# Altium PCB PrincipalPCB.PcbDoc
Units mm, origin at the board's own origin, x right, y up, seen from the top; angles counter-clockwise.
Board outline 45.45 x 93.05 mm, 2 copper layers (Top Layer, Bottom Layer); 11 components, 41 nets, 112 pads, 0 vias.
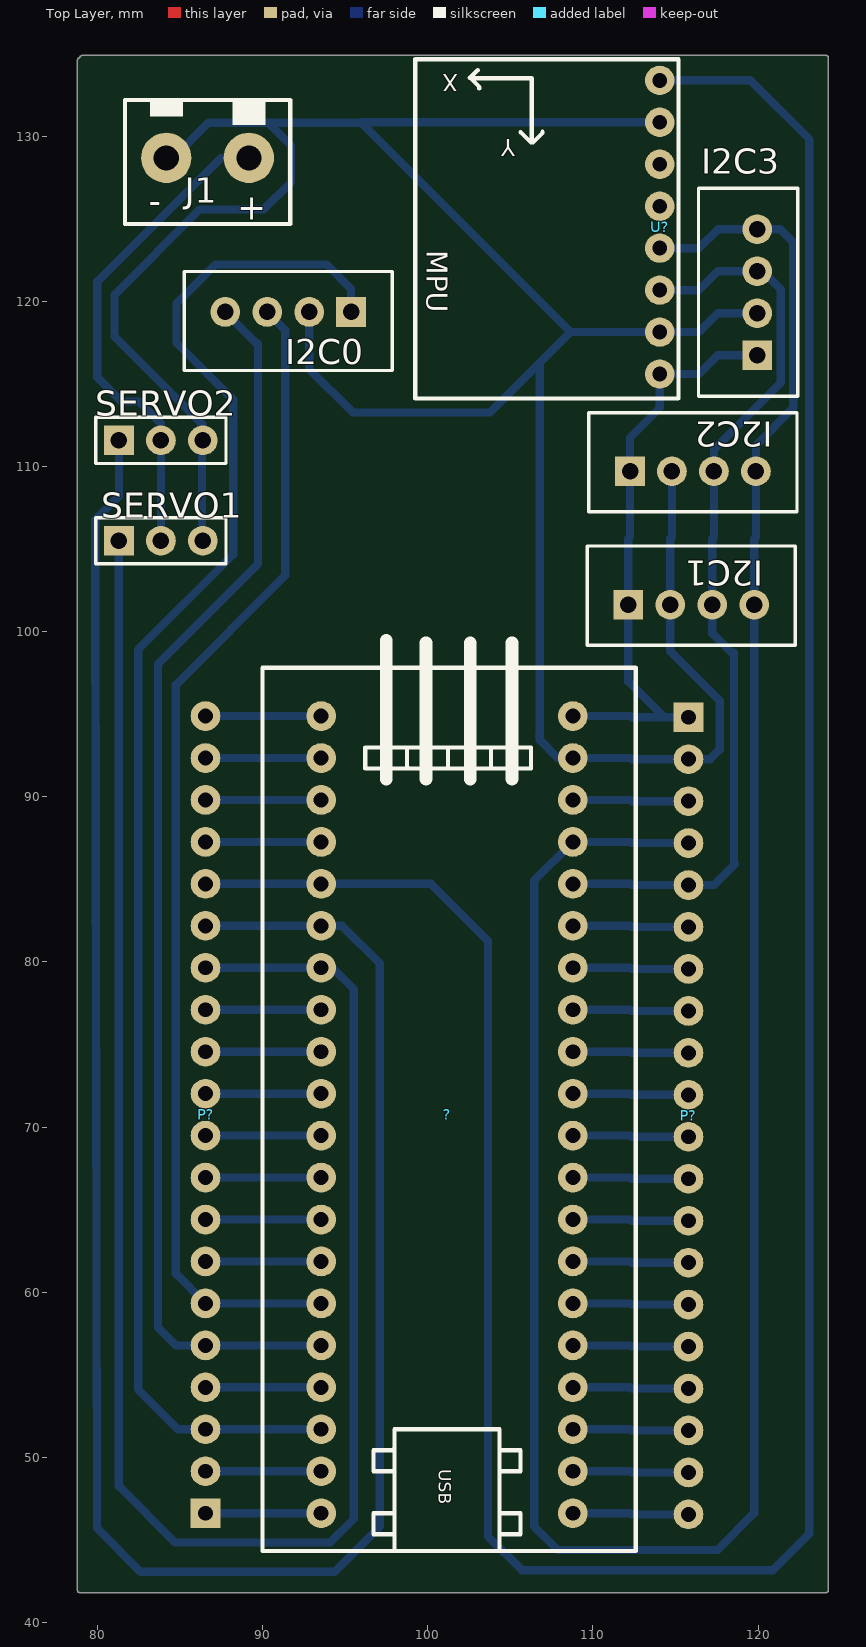
[diagram p0: Top Layer view]
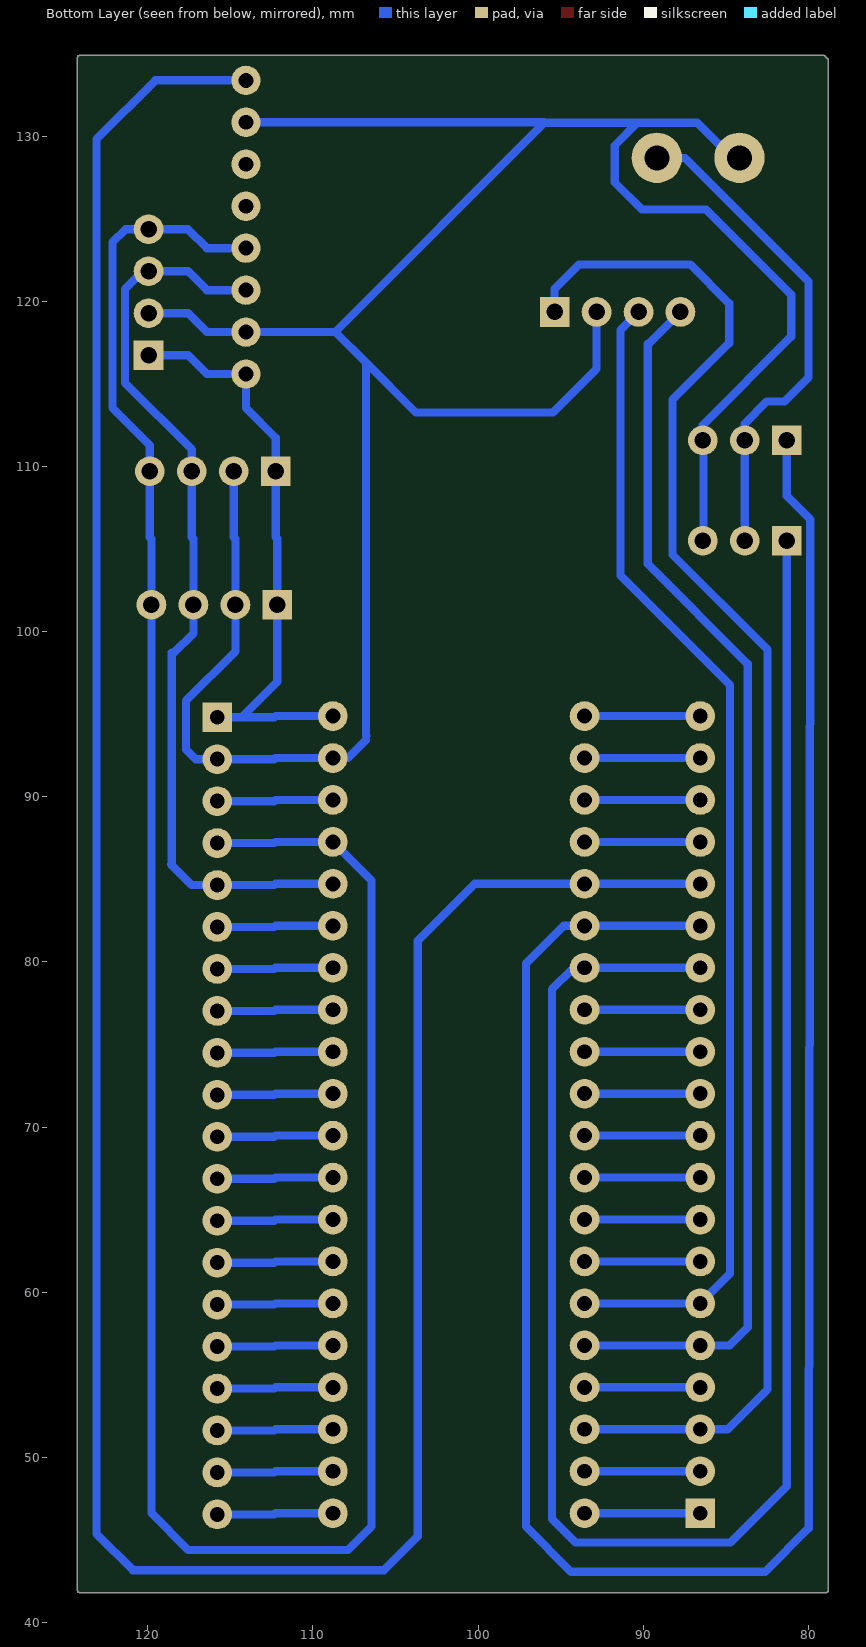
[diagram p1: Bottom Layer view, seen from below]
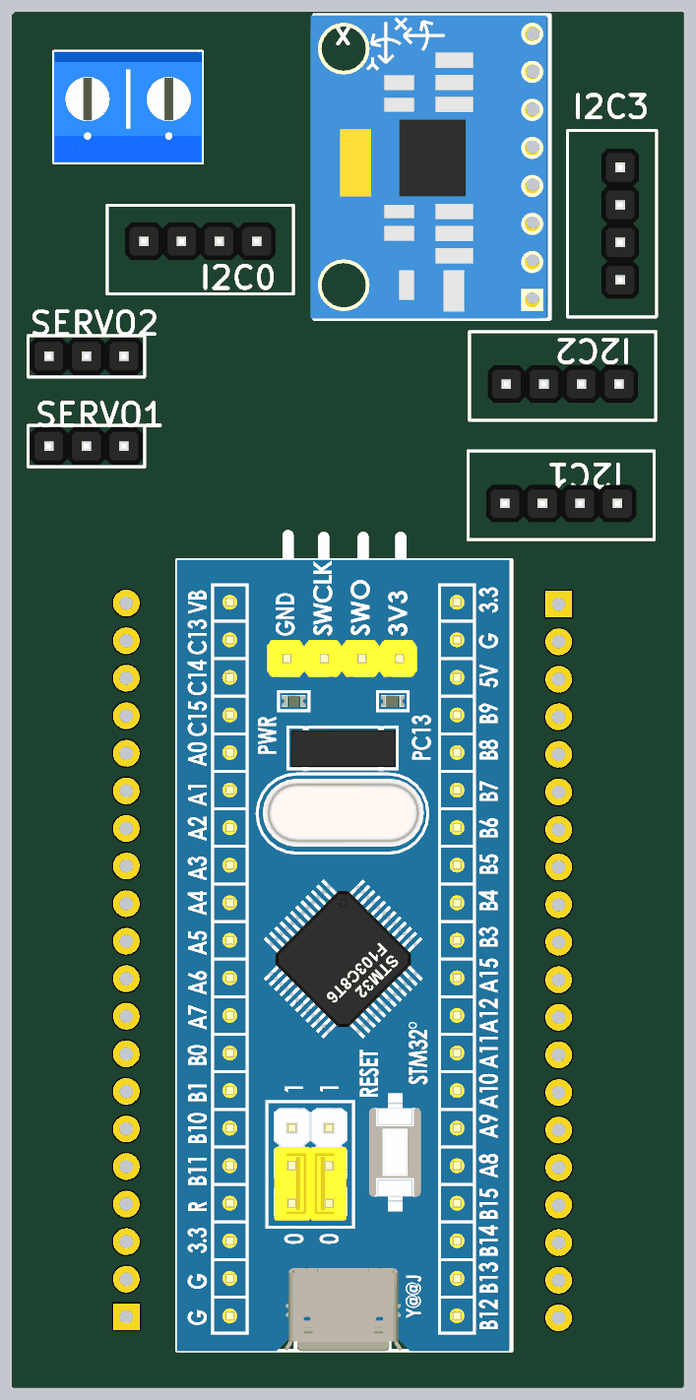
[diagram p2: 3D render of the assembled board from above, using the file's embedded part models]

## Layer stack, top to bottom
Top Solder: solder mask 0.0102, Solder Resist, Dk 3.5
Top Layer: signal copper 0.0356
Dielectric 1: dielectric 0.32, FR-4, Dk 4.8
Bottom Layer: signal copper 0.0356
Bottom Solder: solder mask 0.0102, Solder Resist, Dk 3.5

## Board outline
78.798,41.95 ccw(c78.925,41.95) 78.925,41.823 124.125,41.823 ccw(c124.125,41.95) 124.252,41.95 124.252,134.75 ccw(c124.125,134.75) 124.125,134.877 79.075,134.877 ccw(c79.075,134.75) 78.95,134.725 ccw(c78.925,134.6) 78.798,134.6

## Design rules (kind name [scope] priority, off if disabled: settings)
Clearance [All] p1: gap=0.254 ignorepadtopadclearanceinfootprint=FALSE except(0: Arc-Hole Track-Hole SMDPad-Hole THPad-Hole Via-Hole Fill-Hole Poly-Hole Region-Hole Text-Hole)
DiffPairsRouting [All] p1: maxlimit=0.6 minlimit=0.5 mostfreqgap=0.5 toplayer_minwidth=0.381 toplayer_maxwidth=0.381 toplayer_prefwidth=0.381 bottomlayer_minwidth=0.381 bottomlayer_maxwidth=0.381 bottomlayer_prefwidth=0.381 maxuncoupledlength=12.7
PolygonConnect [All] p1: connectstyle=Relief reliefconductorwidth=0.254 reliefentries=4 polygonreliefangle="90 Angle" airgapwidth=0.254
RoutingCorners [All] p1: cornerstyle=45-Degree minsetback=3 maxsetback=3
RoutingVias [All] p1: holewidth=0.711 width=1.27 viastyle="Through Hole" minholewidth=0.711 minwidth=1.27 maxholewidth=0.711 maxwidth=1.27
SolderMaskExpansion [All] p1: expansion=0.102
Width [All] p1: maxlimit=0.7 minlimit=0.4 preferedwidth=0.5
28 further rules are at their usual default settings.

## Components (designator, comment, footprint, x,y, rotation, side; value= is the part's Value field where it differs from the comment)
? "STM32F103C8T6 module with ARM Cortex-3, 20kB SRAM, 64kB Flash, 72MHz" STM32F103C8T6-MODULE 101.17,69.485 r90 top
I2C0 "Connector" "1x4x2.54 Pin Header TH V" 91.555,119.35 r180 top
I2C1 "Connector" "1x4x2.54 Pin Header TH V" 115.96,101.625 r0 top
I2C2 "Connector" "1x4x2.54 Pin Header TH V" 116.06,109.7 r0 top
I2C3 "Connector" "1x4x2.54 Pin Header TH V" 119.95,120.545 r90 top
J1 "CONN2" CONN2 86.675,128.675 r180 top
P? "Header 20H" HDR1X20H 86.55,46.625 r90 top
P? "Header 20H" HDR1X20H 115.79,94.815 r270 top
SERVO1 "Connector" "1x3x2.54 Pin Header TH V" 83.85,105.5 r0 top
SERVO2 "Connector" "1x3x2.54 Pin Header TH V" 83.85,111.575 r0 top
U? "GY-521MPU6050" GY-521 103.128,124.607 r180 top

## Footprints (in the part's own frame and the unit in brackets; to place one, negate y for a bottom-side part, rotate by r counter-clockwise, add the part's x,y. Pads: shape width x height; smd on the part's side, far side on the other; paste and mask are expansions set on the pad)
"1x3x2.54 Pin Header TH V" [mm] "1x3x2.54 Pin Header TH V"
  rect 1.8x1.8 hole 1: 1(-2.54,0)
  round 1.8 hole 1: 2(0,0) 3(2.54,0)
  silkscreen extent -3.94,-1.4 3.94,1.4, body extent -3.81,-1.27 3.81,1.27, height 8.55
"1x4x2.54 Pin Header TH V" [mm] "1x4x2.54 Pin Header TH V"
  rect 1.8x1.8 hole 1: 1(-3.81,0)
  round 1.8 hole 1: 2(-1.27,0) 3(1.27,0) 4(3.81,0)
  silkscreen extent -6.3,-2.45 6.3,3.55, body extent -5.08,-1.27 5.08,1.27, height 8.55
CONN2 [mil]
  round 120 hole 60: 1(-98.43,0) 2(98.43,0)
  silkscreen extent -197,-138 197,157, body extent -197,-138 197,157, height 394
GY-521 [mil]
  round 70 / inner round 60 / far side round 70 hole 35.43: ADO(-430,-245) GND(-430,255) INT(-430,-345) SCL(-430,155) SDA(-430,55) VCC(-430,355) XCL(-430,-145) XDA(-430,-45)
  silkscreen extent -475,-396 153,413, body extent -468,-395 162,412, height 159
HDR1X20H [mm] "Connector; Header; 20 Position; Right Angle"
  rect 1.8x1.8 hole 0.9: 1(0,0)
  round 1.8 hole 0.9: 2(2.54,0) 3(5.08,0) 4(7.62,0) 5(10.16,0) 6(12.7,0) 7(15.24,0) 8(17.78,0) 9(20.32,0) 10(22.86,0) 11(25.4,0) 12(27.94,0) 13(30.48,0) 14(33.02,0) 15(35.56,0) 16(38.1,0) 17(40.64,0) 18(43.18,0) 19(45.72,0) 20(48.26,0)
STM32F103C8T6-MODULE [mm]
  round 1.8 hole 0.9: 3.3V_1(25.4,-7.62) 3.3V_2(-17.78,7.62) 5V(20.32,-7.62) GND_1(22.86,-7.62) GND_2(-20.32,7.62) GND_3(-22.86,7.62) PA_0(15.24,7.62) PA_1(12.7,7.62) PA_2(10.16,7.62) PA_3(7.62,7.62) PA_4(5.08,7.62) PA_5(2.54,7.62) PA_6(0,7.62) PA_7(-2.54,7.62) PA_8(-12.7,-7.62) PA_9(-10.16,-7.62) PA_10(-7.62,-7.62) PA_11(-5.08,-7.62) PA_12(-2.54,-7.62) PA_15(0,-7.62) PB_0(-5.08,7.62) PB_1(-7.62,7.62) PB_3(2.54,-7.62) PB_4(5.08,-7.62) PB_5(7.62,-7.62) PB_6(10.16,-7.62) PB_7(12.7,-7.62) PB_8(15.24,-7.62) PB_9(17.78,-7.62) PB_10(-10.16,7.62) PB_11(-12.7,7.62) PB_12(-22.86,-7.62) PB_13(-20.32,-7.62) PB_14(-17.78,-7.62) PB_15(-15.24,-7.62) PC_13(22.86,7.62) PC_14(20.32,7.62) PC_15(17.78,7.62) RESET(-15.24,7.62) VB(25.4,7.62)
  silkscreen extent -25.15,-11.43 29.97,11.18, body extent -25.18,-11.3 28.32,11.2, height 10.69

## Part data
?: library part STM32F103C8T6-MODULE, DeviceSetName=STM32F103C8T6-MODULE, GateName_1=G$1, LibraryName=stm32f103c8t6_module, Package=STM32F103C8T6-MODULE, SymbolName_1=STM32F103C8T6-MODULE
I2C0 I2C1 I2C2 I2C3: library part "Header 1x4"
J1: library part Bornera
P? P?: "Header, 20-Pin, Right Angle", LatestRevisionDate=17-Jul-2002, LatestRevisionNote="Re-released for DXP Platform.", Publisher="Altium Limited"
SERVO1 SERVO2: library part "Header 1x3"
U?: Package=GY-521, DeviceName=MPU6050, DeviceSetName=GY-521, GateName_1=G$1, LibraryName=gy-521, SymbolName_1=MPU6050

## Nets (pads, with @x,y where several pads share a name; then routed paths per layer and width w, separated by ;. In a path a pad name is that pad's centre, name@x,y a point inside that pad or via, vN(x,y) a via of type N, cw(c..) or ccw(c..) an arc to the next point about the centre after c; other vN are vias at no path point)
3.3V_1: ?.3.3V_1 I2C1.1 I2C2.1 I2C3.1 P?.1@115.79,94.815 U?.VCC | length 35.9
  Bottom Layer w0.5: ?.3.3V_1 112.268,94.885 112.338,94.815 114.3,94.815 ; P?.1@115.825,94.815 115.79,94.815 114.3,94.815 ; I2C3.1 117.562,116.735 116.417,115.59 U?.VCC 114.05,113.533 112.25,111.733 I2C2.1 112.25,105.712 112.15,105.612 I2C1.1 112.15,97.15 112.15,96.965 114.3,94.815
3.3V_2: ?.3.3V_2 I2C0.1 P?.3@86.55,51.705 | length 95.1
  Bottom Layer w0.5: 84.8,117.45 84.8,119.875 87.15,122.225 93.89,122.225 95.365,120.75 I2C0.1 ; 84.9,117.375 88.225,114.05 88.225,104.65 82.475,98.9 82.475,54.126 84.896,51.705 86.55,51.705 ?.3.3V_2
5V: ?.5V P?.3@115.79,89.735 | length 7.1
  Bottom Layer w0.5: ?.5V 112.268,89.805 112.338,89.735 P?.3@115.825,89.735
5V_F: J1.1 SERVO1.2 SERVO2.2 | length 30.2
  Bottom Layer w0.5: SERVO1.2 SERVO2.2 83.85,112.6 82.525,113.925 81.45,113.925 80,115.375 80,121.2 87.475,128.675 J1.1
GND: ?.GND_1 I2C0.2 I2C1.2 I2C2.2 I2C3.2 J1.2 P?.2@115.79,92.275 SERVO1.3 SERVO2.3 U?.ADO U?.GND | length 170.4
  Bottom Layer w0.5: J1.2 84.6,128.675 86.735,130.81 90.34,130.81 ; SERVO1.3 86.345,105.5 86.345,110.925 86.39,110.925 SERVO2.3 86.39,112.51 81.05,117.85 81.038,117.85 81.038,120.388 86.2,125.55 90.075,125.55 91.725,127.2 91.725,129.425 90.34,130.81 ; I2C0.2 92.825,115.902 95.47,113.257 103.772,113.257 106.791,116.276 ; 95.985,130.83 96.26,130.83 ; 106.75,93.7 106.791,93.7 106.791,116.276 ; 106.791,93.425 107.871,92.345 ?.GND_1 112.268,92.345 112.338,92.275 115.79,92.275 117.1,92.275 117.675,92.85 117.675,95.816 114.69,98.801 I2C1.2 114.69,105.612 114.79,105.712 I2C2.2 ; U?.ADO 96.26,130.83 ; I2C3.2 117.562,119.275 116.417,118.13 U?.GND 108.645,118.13 ; 90.34,130.81 95.965,130.81 ; 95.965,130.81 96.24,130.81 96.26,130.83 ; 95.965,130.81 108.645,118.13 ; 106.791,116.276 108.645,118.13
Net?_GND_2: ?.GND_2 P?.2@86.55,49.165 | length 6.4
  Bottom Layer w0.5: P?.2@87.175,49.165 ?.GND_2
Net?_GND_3: ?.GND_3 P?.1@86.55,46.625 | length 6.4
  Bottom Layer w0.5: P?.1@87.175,46.625 ?.GND_3
PA0: ?.PA_0 P?.16@86.55,84.725 U?.INT | length 170.1
  Bottom Layer w0.5: P?.16@87.175,84.725 ?.PA_0 100.212,84.725 103.657,81.28 103.657,45.218 105.7,43.175 120.899,43.175 123.037,45.313 123.1,45.376 123.1,110.509 123.1,129.807 119.537,133.37 U?.INT
PA1: ?.PA_1 P?.15@86.55,82.185 SERVO2.1 | length 130.8
  Bottom Layer w0.5: SERVO2.1 81.31,108.209 79.883,106.782 79.883,104.089 79.985,45.72 82.626,43.078 94.361,43.078 97.1,45.817 97.1,79.913 94.828,82.185 ?.PA_1 P?.15@87.175,82.185
PA2: ?.PA_2 P?.14@86.55,79.645 SERVO1.1 | length 114.4
  Bottom Layer w0.5: SERVO1.1 81.305,105.5 81.305,48.26 84.715,44.85 94.101,44.85 95.525,46.274 95.525,78.35 94.23,79.645 ?.PA_2 P?.14@87.175,79.645
PA3: ?.PA_3 P?.13@86.55,77.105 | length 6.4
  Bottom Layer w0.5: P?.13@87.175,77.105 ?.PA_3
PA4: ?.PA_4 P?.12@86.55,74.565 | length 6.4
  Bottom Layer w0.5: P?.12@87.175,74.565 ?.PA_4
PA5: ?.PA_5 P?.11@86.55,72.025 | length 6.4
  Bottom Layer w0.5: P?.11@87.175,72.025 ?.PA_5
PA6: ?.PA_6 P?.10@86.55,69.485 | length 6.4
  Bottom Layer w0.5: P?.10@87.175,69.485 ?.PA_6
PA7: ?.PA_7 P?.9@86.55,66.945 | length 6.4
  Bottom Layer w0.5: P?.9@87.175,66.945 ?.PA_7
PA8: ?.PA_8 P?.16@115.79,56.715 | length 7.1
  Bottom Layer w0.5: ?.PA_8 112.268,56.785 112.338,56.715 P?.16@115.825,56.715
PA9: ?.PA_9 P?.15@115.79,59.255 | length 7.1
  Bottom Layer w0.5: ?.PA_9 112.268,59.325 112.338,59.255 P?.15@115.825,59.255
PA10: ?.PA_10 P?.14@115.79,61.795 | length 7.1
  Bottom Layer w0.5: ?.PA_10 112.268,61.865 112.338,61.795 P?.14@115.825,61.795
PA11: ?.PA_11 P?.13@115.79,64.335 | length 7.1
  Bottom Layer w0.5: ?.PA_11 112.268,64.405 112.338,64.335 P?.13@115.825,64.335
PA12: ?.PA_12 P?.12@115.79,66.875 | length 7.1
  Bottom Layer w0.5: ?.PA_12 112.268,66.945 112.338,66.875 P?.12@115.825,66.875
PA15: ?.PA_15 P?.11@115.79,69.415 | length 7.1
  Bottom Layer w0.5: ?.PA_15 112.268,69.485 112.338,69.415 P?.11@115.825,69.415
PB0: ?.PB_0 P?.8@86.55,64.405 | length 6.4
  Bottom Layer w0.5: P?.8@87.175,64.405 ?.PB_0
PB1: ?.PB_1 P?.7@86.55,61.865 | length 6.4
  Bottom Layer w0.5: P?.7@87.175,61.865 ?.PB_1
PB3: ?.PB_3 P?.10@115.79,71.955 | length 7.1
  Bottom Layer w0.5: ?.PB_3 112.268,72.025 112.338,71.955 P?.10@115.825,71.955
PB4: ?.PB_4 P?.9@115.79,74.495 | length 7.1
  Bottom Layer w0.5: ?.PB_4 112.268,74.565 112.338,74.495 P?.9@115.825,74.495
PB5: ?.PB_5 P?.8@115.79,77.035 | length 7.1
  Bottom Layer w0.5: ?.PB_5 112.268,77.105 112.338,77.035 P?.8@115.825,77.035
PB6: ?.PB_6 P?.7@115.79,79.575 | length 7.1
  Bottom Layer w0.5: ?.PB_6 112.268,79.645 112.338,79.575 P?.7@115.825,79.575
PB7: ?.PB_7 P?.6@115.79,82.115 | length 7.1
  Bottom Layer w0.5: ?.PB_7 112.268,82.185 112.338,82.115 P?.6@115.825,82.115
PB8: ?.PB_8 I2C1.3 I2C2.3 I2C3.3 P?.5@115.79,84.655 U?.SCL | length 55.6
  Bottom Layer w0.5: ?.PB_8 112.268,84.725 112.338,84.655 115.79,84.655 117.345,84.655 118.582,85.893 ; U?.SCL 116.417,120.67 117.562,121.815 I2C3.3 120.285,121.815 121.37,120.73 121.37,115.06 117.33,111.02 I2C2.3 117.33,105.712 117.23,105.612 I2C1.3 117.23,99.897 118.375,98.752 ; 118.55,85.893 118.55,98.727
PB9: ?.PB_9 I2C1.4 I2C2.4 I2C3.4 P?.4@115.79,87.195 U?.SDA | length 151.1
  Bottom Layer w0.5: U?.SDA 116.417,123.21 117.562,124.355 I2C3.4 121.345,124.355 122.125,123.575 122.125,113.531 119.87,111.276 I2C2.4 119.87,105.712 119.77,105.612 I2C1.4 119.77,47.875 119.77,46.625 117.545,44.4 107.875,44.4 106.45,45.825 106.45,84.925 ?.PB_9 112.268,87.265 112.338,87.195 115.79,87.195 P?.4@115.825,87.195
PB10: ?.PB_10 I2C0.3 P?.6@86.55,59.325 | length 71
  Bottom Layer w0.5: I2C0.3 91.375,118.26 91.375,103.4 84.75,96.775 84.75,61.125 86.55,59.325 ?.PB_10
PB11: ?.PB_11 I2C0.4 P?.5@86.55,56.785 | length 75.1
  Bottom Layer w0.5: I2C0.4 89.673,117.422 ; 89.725,117.422 89.725,104.1 83.675,98.05 83.675,57.875 84.765,56.785 86.55,56.785 ?.PB_11
PB12: ?.PB_12 P?.20@115.79,46.555 | length 7.1
  Bottom Layer w0.5: ?.PB_12 112.268,46.625 112.338,46.555 P?.20@115.825,46.555
PB13: ?.PB_13 P?.19@115.79,49.095 | length 7.1
  Bottom Layer w0.5: ?.PB_13 112.268,49.165 112.338,49.095 P?.19@115.825,49.095
PB14: ?.PB_14 P?.18@115.79,51.635 | length 7.1
  Bottom Layer w0.5: ?.PB_14 112.268,51.705 112.338,51.635 P?.18@115.825,51.635
PB15: ?.PB_15 P?.17@115.79,54.175 | length 7.1
  Bottom Layer w0.5: ?.PB_15 112.268,54.245 112.338,54.175 P?.17@115.825,54.175
PC13: ?.PC_13 P?.19@86.55,92.345 | length 6.4
  Bottom Layer w0.5: P?.19@87.175,92.345 ?.PC_13
PC14: ?.PC_14 P?.18@86.55,89.805 | length 6.4
  Bottom Layer w0.5: P?.18@87.175,89.805 ?.PC_14
PC15: ?.PC_15 P?.17@86.55,87.265 | length 6.4
  Bottom Layer w0.5: P?.17@87.175,87.265 ?.PC_15
RESET: ?.RESET P?.4@86.55,54.245 | length 6.4
  Bottom Layer w0.5: P?.4@87.175,54.245 ?.RESET
VB: ?.VB P?.20@86.55,94.885 | length 6.4
  Bottom Layer w0.5: P?.20@87.175,94.885 ?.VB
pads on no net: U?.XCL U?.XDA

## Silkscreen, mask and mechanical layers (free items; w line width, h text height)
Mechanical 1:
  lines w0.254: 78.7,134.925 124.475,134.925 124.275,134.725 124.275,42 124.075,41.8 78.7,41.8 78.9,42 78.9,134.925

## Text inside footprints (layer, text, board x,y; h text height)
?: Top Overlay "USB" at 100.662,49.292 h0.76 r270
J1: Top Overlay "-" at 83.875,126.475 h1.52 r180; Top Overlay "+" at 90.225,126.275 h1.52 r180
U?: Top Overlay "X" at 101.858,133.751 h1.02 r180; Top Overlay "Y" at 105.287,129.814 h1.02 r180; Top Overlay "MPU" at 99.953,123.083 h1.27 r270